# KiCad board Type 1 Termination Board v3.kicad_pcb
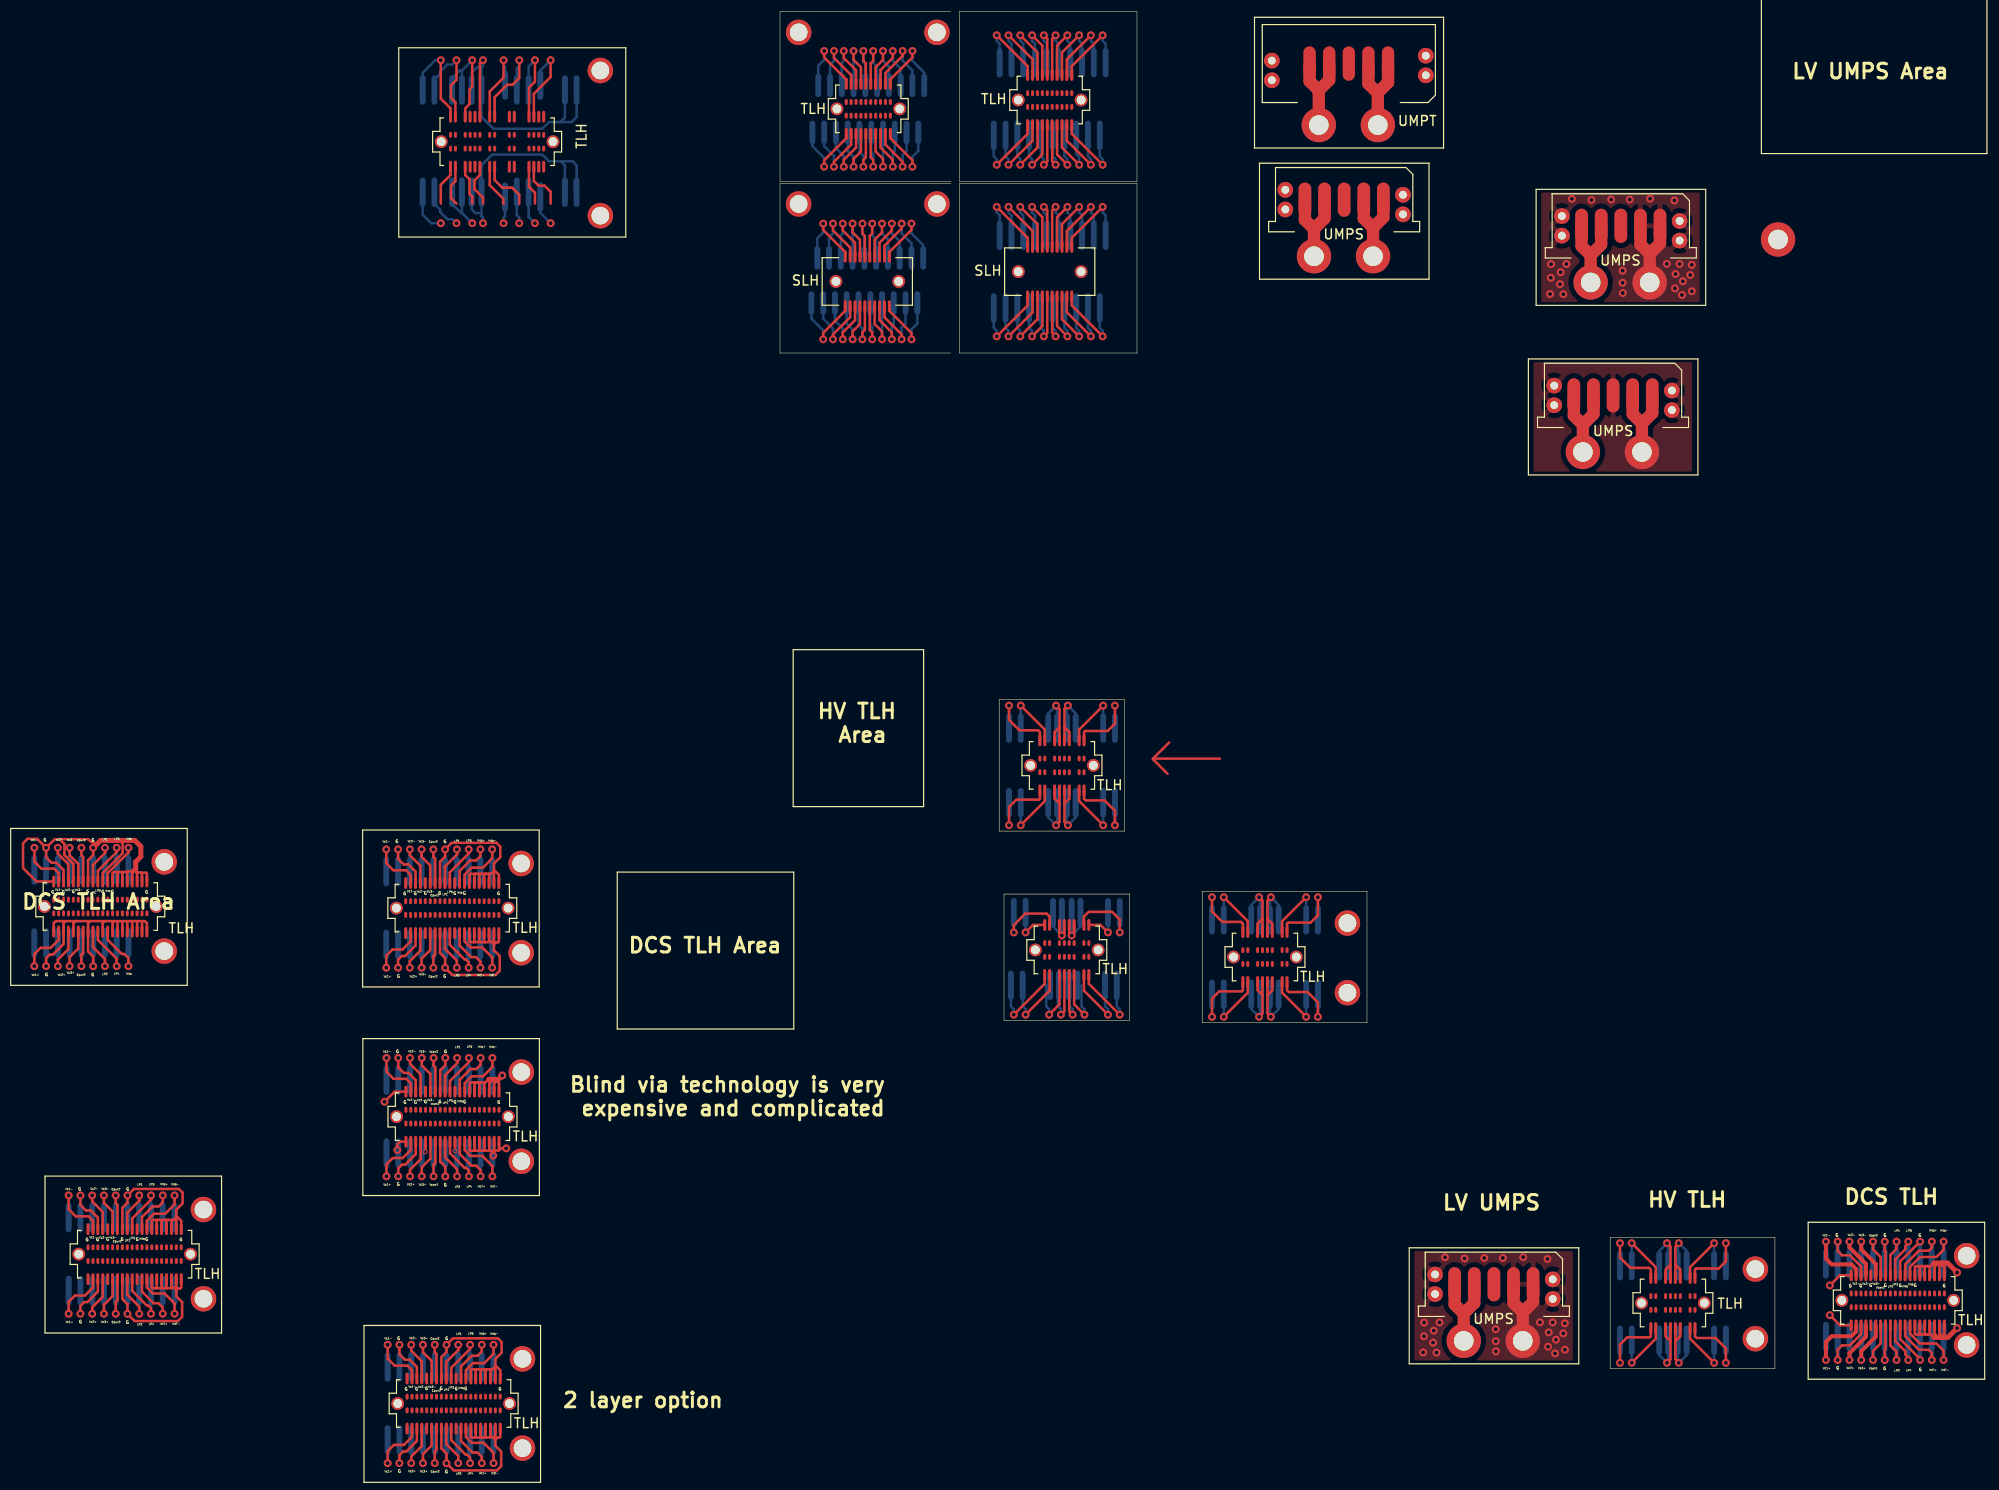
[diagram p0: board, top side]
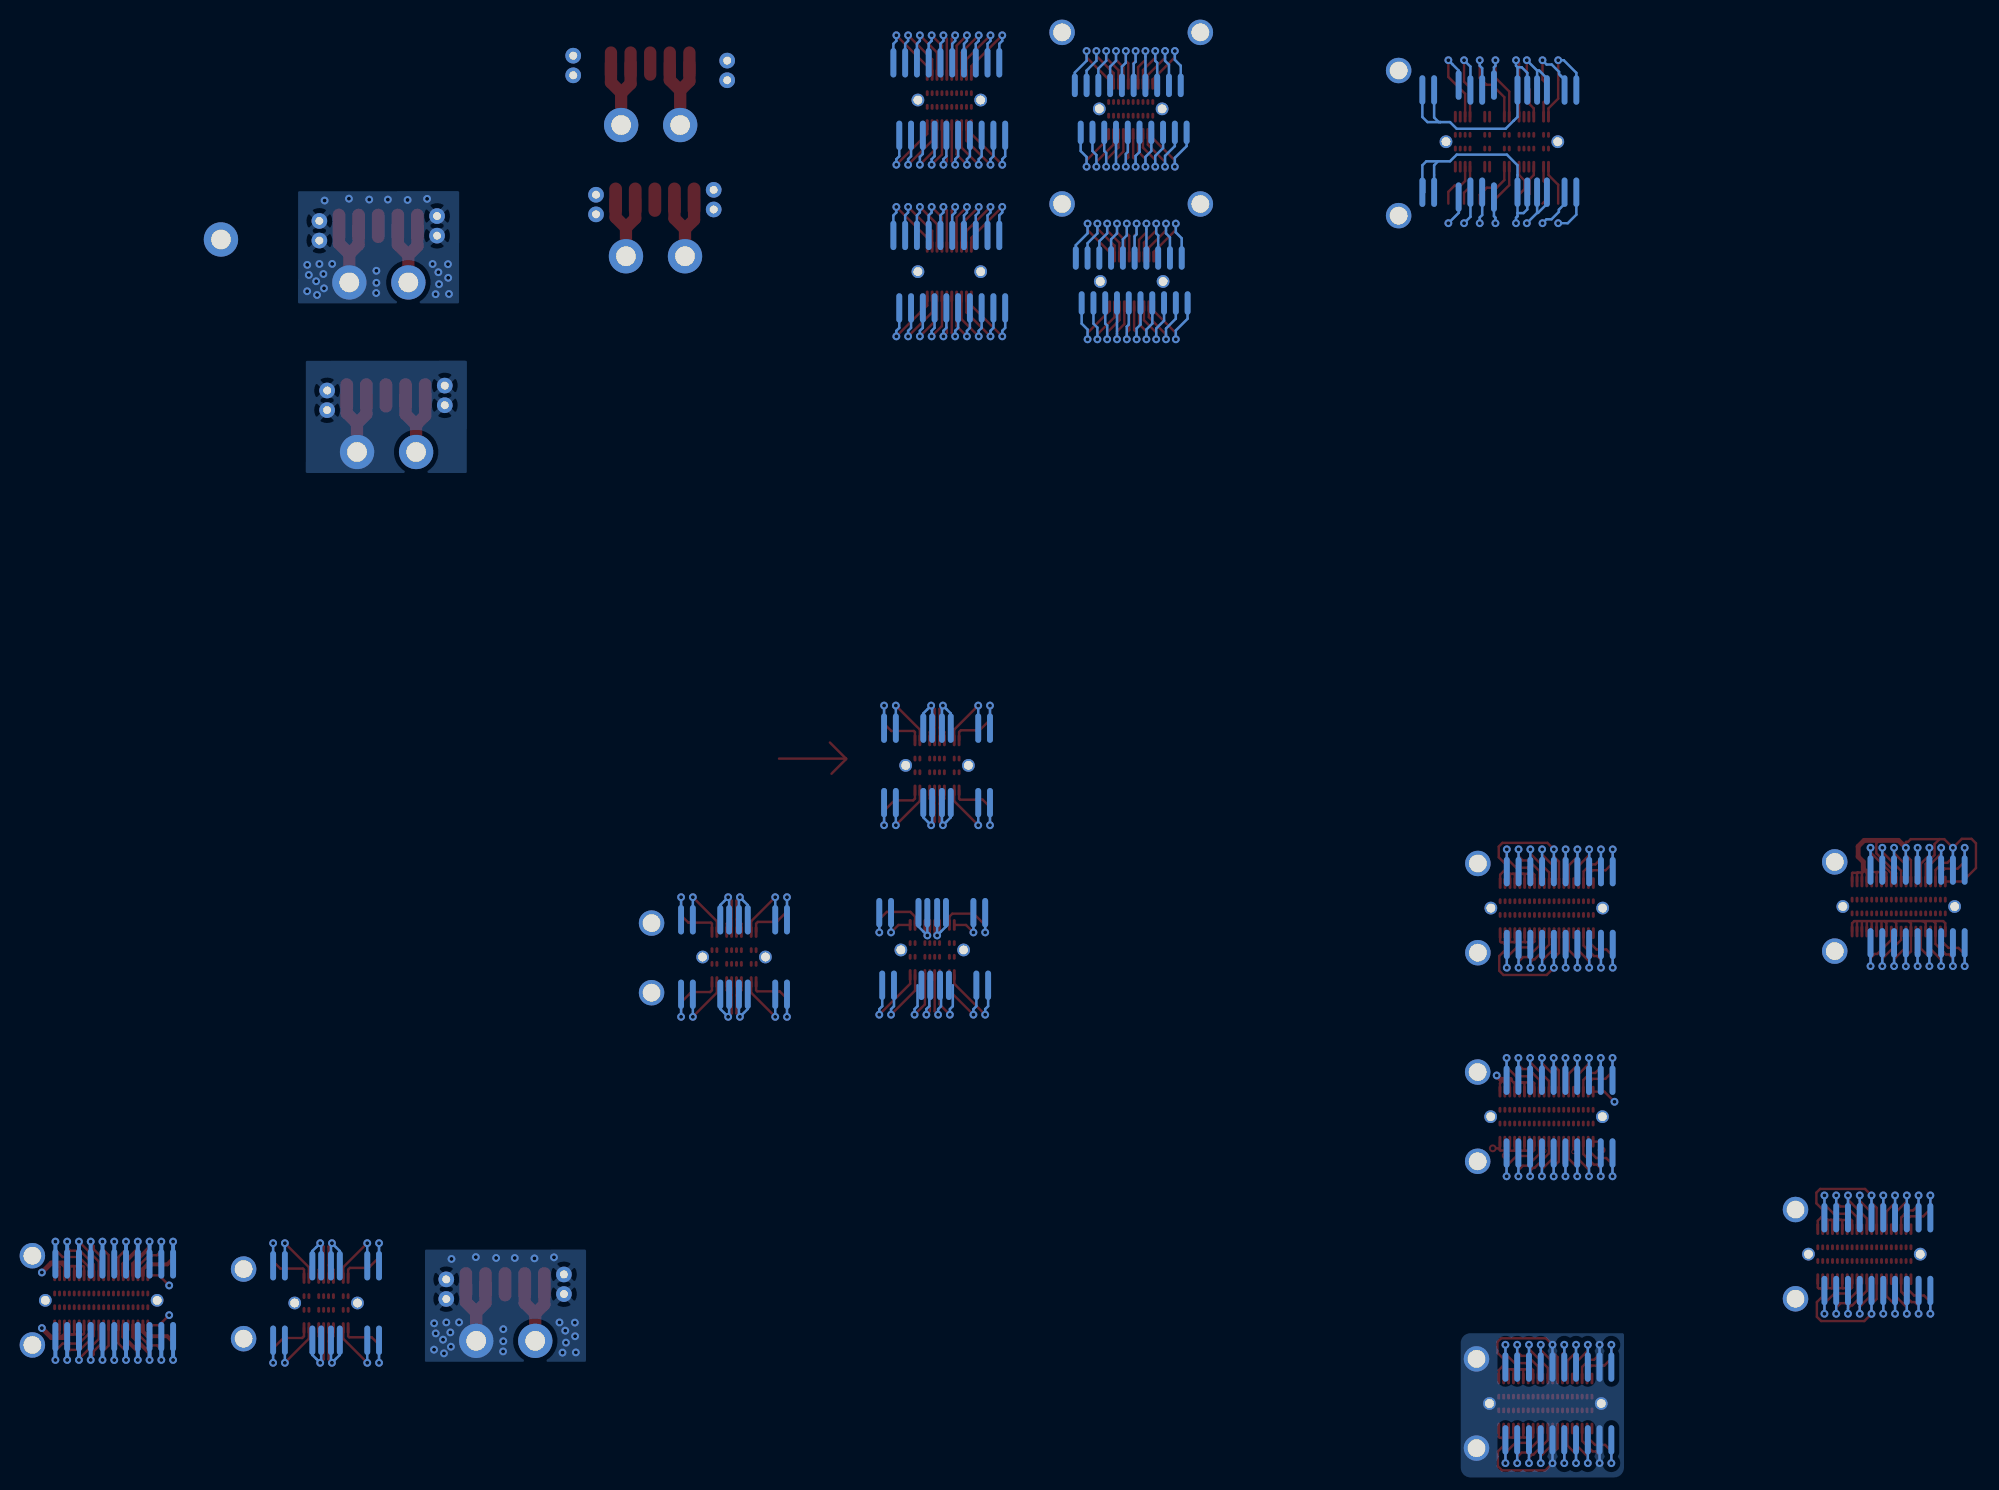
[diagram p1: board, bottom side, seen from below]

No outline. copper layers: Top, InF.Cu (plane), InB.Cu (plane), Bottom. Coordinates in mm from the lowest, leftmost part position.

## Placement (name value [footprint] x y rotation side)
Pad_Array_4  -  [Pad_Array_4]  42.08 128.19 0 bottom
Pad_Array_4#2  Pad_Array_4  [Pad_Array_4#2]  42.08 138.5 0 bottom
REF**  -  [PEEK_screw]  86.64 144.37 0 top
REF**#2  SLH  [SLH (mp)]  98.14 119.97 0 top
REF**#3  TLH  [TLH (mp)]  79.64 136.57 0 top
REF**#4  -  [PEEK_screw]  86.64 126.87 0 top
REF**#5  SLH  [SLH (mp)]  79.54 118.97 0 top
REF**#6  TLH  [TLH (mp)]  98.14 137.47 0 top
REF**#7  -  [PEEK_screw]  72.54 126.87 0 top
REF**#8  -  [PEEK_screw]  72.54 144.37 0 top
REF**#9  -  [14AWG_THT]  125.09 121.54 0 top
REF**#10  -  [14AWG_THT]  131.11 121.54 0 top
REF**#11  -  [14AWG_THT]  131.6 134.92 0 top
REF**#12  -  [14AWG_THT]  125.58 134.92 0 top
REF**#13  -  [14AWG_THT]  153.3 118.87 0 top
REF**#14  -  [14AWG_THT]  159.32 118.87 0 top
REF**#15  -  [14AWG_THT]  172.41 123.25 90 top
REF**#16  -  [PEEK_screw]  52.32 125.68 0 top
REF**#17  -  [PEEK_screw]  52.32 140.48 0 top
REF**#18  -  [PEEK_screw]  44.24 50.52 90 top
REF**#19  -  [PEEK_screw]  44.24 59.62 90 top
REF**#20  -  [PEEK_screw]  7.85 50.68 90 top
REF**#21  -  [PEEK_screw]  7.85 59.78 90 top
REF**#22  -  [PEEK_screw]  11.85 15.23 90 top
REF**#23  -  [PEEK_screw]  11.85 24.33 90 top
REF**#24  -  [PEEK_screw]  170.1 11.16 90 top
REF**#25  -  [PEEK_screw]  170.1 18.26 90 top
REF**#26  -  [PEEK_screw]  128.5 46.44 90 top
REF**#27  -  [PEEK_screw]  128.5 53.54 90 top
REF**#28  -  [14AWG_THT]  152.51 101.58 0 top
REF**#29  -  [14AWG_THT]  158.53 101.58 0 top
REF**#30  -  [PEEK_screw]  44.26 38.35 90 top
REF**#31  -  [PEEK_screw]  44.26 29.25 90 top
REF**#32  -  [PEEK_screw]  44.38 9.1 90 top
REF**#33  -  [PEEK_screw]  44.38 0 90 top
REF**#34  -  [14AWG_THT]  146.38 10.94 0 top
REF**#35  -  [14AWG_THT]  140.36 10.94 0 top
REF**#36  -  [PEEK_screw]  191.64 19.62 90 top
REF**#37  -  [PEEK_screw]  191.64 10.52 90 top
REF**#38  -  [Pad_Array_2]  79.34 134.17 0 bottom
REF**#39  -  [Pad_Array_2#5]  98.44 141.27 0 bottom
REF**#40  -  [Pad_Array_2#5]  97.84 116.27 0 bottom
REF**#41  -  [Pad_Array_2]  79.94 138.97 0 bottom
REF**#42  -  [Pad_Array_2#5]  98.44 123.67 0 bottom
REF**#43  -  [Pad_Array_2]  79.24 116.77 0 bottom
REF**#44  -  [Pad_Array_2#5]  97.84 133.87 0 bottom
REF**#45  -  [Pad_Array_2]  79.84 121.37 0 bottom
REF**#46  Pad_Array_2  [Pad_Array_2#2]  99.88 54.6 0 bottom
REF**#47  Pad_Array_2  [Pad_Array_2#2]  99.58 47.2 0 bottom
REF**#48  Pad_Array_2  [Pad_Array_2#2]  99.39 73.42 0 bottom
REF**#49  Pad_Array_2  [Pad_Array_2#2]  99.39 65.82 180 bottom
REF**#50  -  [Pad_Array_2#5]  35.89 51.36 0 bottom
REF**#51  -  [Pad_Array_2#5]  35.89 58.79 0 bottom
REF**#52  Pad_Array_2  [Pad_Array_2#3]  0 51.52 0 bottom
REF**#53  Pad_Array_2  [Pad_Array_2#3]  0 58.95 0 bottom
REF**#54  -  [Pad_Array_2#5]  3.5 23.5 0 bottom
REF**#55  -  [Pad_Array_2#5]  3.5 16.07 0 bottom
REF**#56  Pad_Array_2  [Pad_Array_2#2]  161.69 11 180 bottom
REF**#57  Pad_Array_2  [Pad_Array_2#2]  161.69 18.6 0 bottom
REF**#58  Pad_Array_2  [Pad_Array_2#2]  120.09 46.28 180 bottom
REF**#59  Pad_Array_2  [Pad_Array_2#2]  120.09 53.88 0 bottom
REF**#60  -  [Pad_Array_2#5]  35.91 37.52 0 bottom
REF**#61  -  [Pad_Array_2#5]  35.91 30.09 0 bottom
REF**#62  -  [Pad_Array_2#5]  36.03 8.27 0 bottom
REF**#63  -  [Pad_Array_2#5]  36.03 0.84 0 bottom
REF**#64  Pad_Array_2  [Pad_Array_2#4]  182.69 18.79 0 bottom
REF**#65  Pad_Array_2  [Pad_Array_2#4]  182.69 11.36 0 bottom
TLH  -  [19-1_TLH_HV]  99.39 69.62 0 top
TLH#2  -  [19-1_TLH_HV]  99.88 50.8 0 top
TLH#3  19-2  [19-2 TLH]  41.79 133.22 90 top
TLH#4  20 Pin  [TLH 20 Pin]  37.22 55.07 180 top
TLH#5  20 Pin  [TLH 20 Pin]  1.33 55.23 180 top
TLH#6  20 Pin  [TLH 20 Pin]  4.83 19.78 180 top
TLH#7  -  [19-1_TLH_HV]  161.69 14.8 0 top
TLH#8  -  [19-1_TLH_HV]  120.09 50.08 0 top
TLH#9  20 Pin  [TLH 20 Pin]  37.24 33.8 180 top
TLH#10  20 Pin  [TLH 20 Pin]  37.36 4.55 180 top
TLH#11  20 Pin  [TLH 20 Pin]  184.62 15.07 180 top
UMPS  5 Pin  [UMPS 5 Pin]  128.15 127.31 180 top
UMPS#2  5 Pin  [UMPS 5 Pin]  156.36 124.64 180 top
UMPS#3  5 Pin  [UMPS 5 Pin]  155.57 107.35 180 top
UMPS#4  5 Pin  [UMPS 5 Pin]  143.42 16.71 180 top
UMPT  5 Pin  [UMPT 5 Pin]  128.64 141.19 0 top

## Footprints (pads in the part's own frame, mm; a bottom-side part is the same pattern mirrored in y, then rotated)
14AWG_THT
  round 3.5 hole 2: 1(0,0)
19-1_TLH_HV
  oval 0.3x1.2 smd: 1(2.25,2.55) 2(1.75,2.55) 4(0.75,2.55) 5(0.25,2.55) 6(-0.25,2.55) 7(-0.75,2.55) 9(-1.75,2.55) 10(-2.25,2.55) 11(2.25,-2.55) 12(1.75,-2.55) 14(0.75,-2.55) 15(0.25,-2.55) 16(-0.25,-2.55) 17(-0.75,-2.55) 19(-1.75,-2.55) 20(-2.25,-2.55)
  oval 0.3x0.6 smd: 1(2.25,0.7) 2(1.75,0.7) 4(0.75,0.7) 5(0.25,0.7) 6(-0.25,0.7) 7(-0.75,0.7) 9(-1.75,0.7) 10(-2.25,0.7) 11(2.25,-0.7) 12(1.75,-0.7) 14(0.75,-0.7) 15(0.25,-0.7) 16(-0.25,-0.7) 17(-0.75,-0.7) 19(-1.75,-0.7) 20(-2.25,-0.7)
  round 1.3 hole 0.9: 21(-3.2,0) 22(3.2,0)
19-2 TLH
  oval 0.6x0.3 smd: 1(0.7,4.75) 2(-0.7,4.75) 3(0.7,4.25) 4(-0.7,4.25) 7(0.7,3.25) 8(-0.7,3.25) 9(0.7,2.75) 10(-0.7,2.75) 11(0.7,2.25) 12(-0.7,2.25) 13(0.7,1.75) 14(-0.7,1.75) 17(0.7,0.75) 18(-0.7,0.75) 19(0.7,0.25) 20(-0.7,0.25) 25(0.7,-1.25) 26(-0.7,-1.25) 27(0.7,-1.75) 28(-0.7,-1.75) 33(0.7,-3.25) 34(-0.7,-3.25) 35(0.7,-3.75) 36(-0.7,-3.75) 37(0.7,-4.25) 38(-0.7,-4.25) 39(0.7,-4.75) 40(-0.7,-4.75)
  oval 1.2x0.3 smd: 1(2.55,4.75) 2(-2.55,4.75) 3(2.55,4.25) 4(-2.55,4.25) 7(2.55,3.25) 8(-2.55,3.25) 9(2.55,2.75) 10(-2.55,2.75) 11(2.55,2.25) 12(-2.55,2.25) 13(2.55,1.75) 14(-2.55,1.75) 17(2.55,0.75) 18(-2.55,0.75) 19(2.55,0.25) 20(-2.55,0.25) 25(2.55,-1.25) 26(-2.55,-1.25) 27(2.55,-1.75) 28(-2.55,-1.75) 33(2.55,-3.25) 34(-2.55,-3.25) 35(2.55,-3.75) 36(-2.55,-3.75) 37(2.55,-4.25) 38(-2.55,-4.25) 39(2.55,-4.75) 40(-2.55,-4.75)
  round 1.3 hole 0.9: 41(0,5.699) 42(0,-5.702)
Pad_Array_2
  oval 0.6x2.4 smd: 1(-5.4,0) 2(-4.2,0) 3(-3,0) 4(-1.8,0) 5(-0.6,0) 6(0.6,0) 7(1.8,0) 8(3,0) 9(4.2,0) 10(5.4,0)
Pad_Array_2#5
  oval 0.6x3 smd: 1(-5.4,0) 2(-4.2,0) 3(-3,0) 4(-1.8,0) 5(-0.6,0) 6(0.6,0) 7(1.8,0) 8(3,0) 9(4.2,0) 10(5.4,0)
Pad_Array_2#2
  oval 0.6x3 smd: 1(-5.4,0) 2(-4.2,0) 4(-1.4,0) 5(-0.5,0) 6(0.5,0) 7(1.4,0) 9(4.2,0) 10(5.4,0)
Pad_Array_2#3
  oval 0.6x3 smd: 1(-5.4,0) 2(-4.2,0) 3(-3,0) 4(-1.8,0) 5(-0.6,0) 6(0.6,0) 7(1.8,0) 8(3,0) 9(4.2,0)
Pad_Array_2#4
  oval 0.6x3 smd: 1(-5.4,0) 2(-4.2,0) 3(-3,0) 4(-1.8,0) 5(-0.6,0) 6(0.6,0) 7(1.8,0) 8(3,0) 9(4.2,0) 10(5.4,0) 11(6.6,0)
Pad_Array_4
  oval 0.6x3 smd: 1(-7.875,0.125) 2(-6.675,0.125) 3(-4.875,0.125) 4(-3.875,0.125) 5(-2.875,0.125) 6(-1.875,0.125) 7(0.525,0.625) 8(1.725,0.125) 9(2.925,0.125) 10(4.125,0.625) 11(6.625,0.125) 12(7.825,0.125)
Pad_Array_4#2
  oval 0.6x3 smd: 1(-7.875,0) 2(-6.675,0) 3(-4.875,0) 4(-3.875,0) 5(-2.875,0) 6(-1.875,0) 7(0.525,-0.5) 8(1.725,0) 9(2.925,0) 10(4.125,-0.5) 11(6.625,0) 12(7.825,0)
PEEK_screw
  round 2.6 hole 1.8: 1(0,0)
SLH (mp)
  oval 0.3x1.2 smd: 1(-2.25,2.525) 2(-1.75,2.525) 3(-1.25,2.525) 4(-0.75,2.525) 5(-0.25,2.525) 6(0.25,2.525) 7(0.75,2.525) 8(1.25,2.525) 9(1.75,2.525) 10(2.25,2.525) 11(-2.25,-2.525) 12(-1.75,-2.525) 13(-1.25,-2.525) 14(-0.75,-2.525) 15(-0.25,-2.525) 16(0.25,-2.525) 17(0.75,-2.525) 18(1.25,-2.525) 19(1.75,-2.525) 20(2.25,-2.525)
  round 1.3 hole 0.9: 21(-3.2,0) 22(3.2,0)
TLH 20 Pin
  oval 0.3x1.2 smd: 1(4.752,2.55) 2(4.252,2.55) 3(3.752,2.55) 4(3.252,2.55) 5(2.752,2.55) 6(2.252,2.55) 7(1.752,2.55) 8(1.252,2.55) 9(0.751,2.55) 10(0.252,2.55) 11(-0.248,2.55) 12(-0.749,2.55) 13(-1.248,2.55) 14(-1.748,2.55) 15(-2.248,2.55) 16(-2.748,2.55) 17(-3.248,2.55) 18(-3.748,2.55) 19(-4.248,2.55) 20(-4.748,2.55) 21(4.752,-2.55) 22(4.252,-2.55) 23(3.752,-2.55) 24(3.252,-2.55) 25(2.752,-2.55) 26(2.252,-2.55) 27(1.752,-2.55) 28(1.252,-2.55) 29(0.751,-2.55) 30(0.252,-2.55) 31(-0.248,-2.55) 32(-0.749,-2.55) 33(-1.248,-2.55) 34(-1.748,-2.55) 35(-2.248,-2.55) 36(-2.748,-2.55) 37(-3.248,-2.55) 38(-3.748,-2.55) 39(-4.248,-2.55) 40(-4.748,-2.55)
  oval 0.3x0.6 smd: 1(4.752,0.7) 2(4.252,0.7) 3(3.752,0.7) 4(3.252,0.7) 5(2.752,0.7) 6(2.252,0.7) 7(1.752,0.7) 8(1.252,0.7) 9(0.751,0.7) 10(0.252,0.7) 11(-0.248,0.7) 12(-0.749,0.7) 13(-1.248,0.7) 14(-1.748,0.7) 15(-2.248,0.7) 16(-2.748,0.7) 17(-3.248,0.7) 18(-3.748,0.7) 19(-4.248,0.7) 20(-4.748,0.7) 21(4.752,-0.7) 22(4.252,-0.7) 23(3.752,-0.7) 24(3.252,-0.7) 25(2.752,-0.7) 26(2.252,-0.7) 27(1.752,-0.7) 28(1.252,-0.7) 29(0.751,-0.7) 30(0.252,-0.7) 31(-0.248,-0.7) 32(-0.749,-0.7) 33(-1.248,-0.7) 34(-1.748,-0.7) 35(-2.248,-0.7) 36(-2.748,-0.7) 37(-3.248,-0.7) 38(-3.748,-0.7) 39(-4.248,-0.7) 40(-4.748,-0.7)
  round 1.3 hole 0.9: 41(-5.699,0) 42(5.702,0)
TLH (mp)
  oval 0.3x1.2 smd: 1(2.25,2.55) 2(1.75,2.55) 3(1.25,2.55) 4(0.75,2.55) 5(0.25,2.55) 6(-0.25,2.55) 7(-0.75,2.55) 8(-1.25,2.55) 9(-1.75,2.55) 10(-2.25,2.55) 11(2.25,-2.55) 12(1.75,-2.55) 13(1.25,-2.55) 14(0.75,-2.55) 15(0.25,-2.55) 16(-0.25,-2.55) 17(-0.75,-2.55) 18(-1.25,-2.55) 19(-1.75,-2.55) 20(-2.25,-2.55)
  oval 0.3x0.6 smd: 1(2.25,0.7) 2(1.75,0.7) 3(1.25,0.7) 4(0.75,0.7) 5(0.25,0.7) 6(-0.25,0.7) 7(-0.75,0.7) 8(-1.25,0.7) 9(-1.75,0.7) 10(-2.25,0.7) 11(2.25,-0.7) 12(1.75,-0.7) 13(1.25,-0.7) 14(0.75,-0.7) 15(0.25,-0.7) 16(-0.25,-0.7) 17(-0.75,-0.7) 18(-1.25,-0.7) 19(-1.75,-0.7) 20(-2.25,-0.7)
  round 1.3 hole 0.9: 21(-3.2,0) 22(3.2,0)
UMPS 5 Pin
  oval 1.3x3.5 smd: 1(-4.014,0.001) 2(-2.014,0.001) 3(-0.014,0.001) 4(1.986,0.001) 5(3.986,0.001)
  round 1.6 hole 0.8: 6(-6.014,1.501) 7(-6.014,-0.499) 8(5.986,1.001) 9(5.986,-0.999)
UMPT 5 Pin
  oval 1.25x3.5 smd: 1(4,0) 2(2,0) 3(0,0) 4(-2,0) 5(-4,0)
  round 1.6 hole 0.8: 6(-7.85,0.3) 7(-7.85,-1.7) 8(7.85,0.8) 9(7.85,-1.2)

## Nets
GND: REF**#14.1 REF**#22.1 REF**#23.1 REF**#29.1 REF**#30.1 REF**#31.1 REF**#32.1 REF**#33.1 REF**#36.1 REF**#37.1 REF**#54.2 REF**#54.6 REF**#55.2 REF**#55.6 REF**#60.2 REF**#60.6 REF**#61.2 REF**#61.6 REF**#62.2 REF**#62.6 REF**#63.2 REF**#63.6 REF**#64.2 REF**#64.6 REF**#64.9 REF**#65.2 REF**#65.6 REF**#65.9 TLH#6.3 TLH#6.8 TLH#6.14 TLH#6.15 TLH#6.16 TLH#6.17 TLH#6.18 TLH#6.19 TLH#6.20 TLH#6.23 TLH#6.28 TLH#6.34 TLH#6.35 TLH#6.36 TLH#6.37 TLH#6.38 TLH#6.39 TLH#6.40 TLH#9.1 TLH#9.3 TLH#9.5 TLH#9.8 TLH#9.11 TLH#9.14 TLH#9.15 TLH#9.16 TLH#9.17 TLH#9.18 TLH#9.19 TLH#9.20 TLH#9.21 TLH#9.23 TLH#9.25 TLH#9.28 TLH#9.31 TLH#9.34 TLH#9.35 TLH#9.36 TLH#9.37 TLH#9.38 TLH#9.39 TLH#9.40 TLH#9.41 TLH#9.42 TLH#10.3 TLH#10.8 TLH#10.14 TLH#10.15 TLH#10.16 TLH#10.17 TLH#10.18 TLH#10.19 TLH#10.20 TLH#10.23 TLH#10.28 TLH#10.34 TLH#10.35 TLH#10.36 TLH#10.37 TLH#10.38 TLH#10.39 TLH#10.40 TLH#10.41 TLH#10.42 TLH#11.1 TLH#11.3 TLH#11.8 TLH#11.11 TLH#11.14 TLH#11.15 TLH#11.16 TLH#11.17 TLH#11.18 TLH#11.19 TLH#11.20 TLH#11.21 TLH#11.23 TLH#11.28 TLH#11.31 TLH#11.34 TLH#11.35 TLH#11.36 TLH#11.37 TLH#11.38 TLH#11.39 TLH#11.40 TLH#11.41 TLH#11.42 UMPS#2.1 UMPS#2.2 UMPS#2.6 UMPS#2.7 UMPS#2.8 UMPS#2.9 UMPS#3.3 UMPS#3.6 UMPS#3.7 UMPS#3.8 UMPS#3.9 UMPS#4.3
/LV: REF**#13.1 REF**#34.1 UMPS#2.4 UMPS#2.5 UMPS#4.1 UMPS#4.2 UMPS#4.6 UMPS#4.7 UMPS#4.8 UMPS#4.9

Pads without a net: Pad_Array_4 1 2 3 4 5 6 7 8 9 10 11 12; Pad_Array_4#2 1 2 3 4 5 6 7 8 9 10 11 12; REF** 1; REF**#2 1 2 3 4 5 6 7 8 9 10 11 12 13 14 15 16 17 18 19 20 21 22; REF**#3 1 2 3 4 5 6 7 8 9 10 11 12 13 14 15 16 17 18 19 20 21 22; REF**#4 1; REF**#5 1 2 3 4 5 6 7 8 9 10 11 12 13 14 15 16 17 18 19 20 21 22; REF**#6 1 2 3 4 5 6 7 8 9 10 11 12 13 14 15 16 17 18 19 20 21 22; REF**#7 1; REF**#8 1; REF**#9 1; REF**#10 1; REF**#11 1; REF**#12 1; REF**#15 1; REF**#16 1; REF**#17 1; REF**#18 1; REF**#19 1; REF**#20 1; REF**#21 1; REF**#24 1; REF**#25 1; REF**#26 1; REF**#27 1; REF**#28 1; REF**#35 1; REF**#38 1 2 3 4 5 6 7 8 9 10; REF**#39 1 2 3 4 5 6 7 8 9 10; REF**#40 1 2 3 4 5 6 7 8 9 10; REF**#41 1 2 3 4 5 6 7 8 9 10; REF**#42 1 2 3 4 5 6 7 8 9 10; REF**#43 1 2 3 4 5 6 7 8 9 10; REF**#44 1 2 3 4 5 6 7 8 9 10; REF**#45 1 2 3 4 5 6 7 8 9 10; REF**#46 1 2 4 5 6 7 9 10; REF**#47 1 2 4 5 6 7 9 10; REF**#48 1 2 4 5 6 7 9 10; REF**#49 1 2 4 5 6 7 9 10; REF**#50 1 2 3 4 5 6 7 8 9 10; REF**#51 1 2 3 4 5 6 7 8 9 10; REF**#52 1 2 3 4 5 6 7 8 9; REF**#53 1 2 3 4 5 6 7 8 9; REF**#54 1 3 4 5 7 8 9 10; REF**#55 1 3 4 5 7 8 9 10; REF**#56 1 2 4 5 6 7 9 10; REF**#57 1 2 4 5 6 7 9 10; REF**#58 1 2 4 5 6 7 9 10; REF**#59 1 2 4 5 6 7 9 10; REF**#60 1 3 4 5 7 8 9 10; REF**#61 1 3 4 5 7 8 9 10; REF**#62 1 3 4 5 7 8 9 10; REF**#63 1 3 4 5 7 8 9 10; REF**#64 1 3 4 5 7 8 10 11; REF**#65 1 3 4 5 7 8 10 11; TLH 1 2 4 5 6 7 9 10 11 12 14 15 16 17 19 20 21 22; TLH#2 1 2 4 5 6 7 9 10 11 12 14 15 16 17 19 20 21 22; TLH#3 1 2 3 4 7 8 9 10 11 12 13 14 17 18 19 20 25 26 27 28 33 34 35 36 37 38 39 40 41 42; TLH#4 1 2 3 4 5 6 7 8 9 10 11 12 13 14 15 16 17 18 19 20 21 22 23 24 25 26 27 28 29 30 31 32 33 34 35 36 37 38 39 40 41 42; TLH#5 1 2 3 4 5 6 7 8 9 10 11 12 13 14 15 16 17 18 19 20 21 22 23 24 25 26 27 28 29 30 31 32 33 34 35 36 37 38 39 40 41 42; TLH#6 1 2 4 5 6 7 9 10 11 12 13 21 22 24 25 26 27 29 30 31 32 33 41 42; TLH#7 1 2 4 5 6 7 9 10 11 12 14 15 16 17 19 20 21 22; TLH#8 1 2 4 5 6 7 9 10 11 12 14 15 16 17 19 20 21 22; TLH#9 2 4 6 7 9 10 12 13 22 24 26 27 29 30 32 33; TLH#10 1 2 4 5 6 7 9 10 11 12 13 21 22 24 25 26 27 29 30 31 32 33; TLH#11 2 4 5 6 7 9 10 12 13 22 24 25 26 27 29 30 32 33; UMPS 1 2 3 4 5 6 7 8 9; UMPS#2 3; UMPS#3 1 2 4 5; UMPS#4 4 5; UMPT 1 2 3 4 5 6 7 8 9

## Via types
v1: diameter 0.8, hole 0.4, Top to Bottom, 322 vias
v2: diameter 0.8, hole 0.4, Top to InF.Cu, 3 vias
v3: diameter 0.5, hole 0.3, Top to InF.Cu, 2 vias

## Routing (per net, layer and track width the routed paths; a pad name or vN(x,y) marks a point on that pad's centre or on a via; arc(x,y) is an arc through that point)
GND: length 271.5
  Top w0.25: TLH#6.8 3.58,15.2 4.1,14.68 v1(4.1,13.69) 4.83,12.96 9.24,12.96 9.67,13.39 9.67,14.89 9.08,15.48 9.08,16.09 ; v1(-0.7,13.7) -0.7,14.51 -0.32,14.89 0.01,14.89 1.08,15.96 TLH#6.3 ; TLH#6.28 3.58,24.51 4.1,25.03 v1(4.1,25.77) 4.76,26.43 9.34,26.43 9.72,26.05 9.72,24.96 9.08,24.32 9.08,23.56 ; TLH#6.23 1.08,23.51 0.35,24.24 -0.14,24.24 -0.71,24.81 -0.7,24.82 v1(-0.7,25.77) ; TLH#6.40 9.58,23.18 9.2,23.56 9.08,23.56 ; 7.89,23.27 7.67,23.27 7.58,23.18 TLH#6.36 ; 7.89,23.27 8.28,23.27 ; 7.89,23.27 7.33,23.27 ; TLH#6.38 8.58,23.23 8.54,23.27 ; TLH#6.34 6.58,23.18 6.67,23.27 7.33,23.27 ; 9.08,23.56 TLH#6.39 ; 9.08,23.56 8.79,23.27 8.54,23.27 ; 7.33,23.27 7.17,23.27 7.08,23.18 TLH#6.35 ; TLH#6.37 8.08,23.18 8.17,23.27 8.28,23.27 ; 8.28,23.27 8.54,23.27 ; TLH#6.16 7.58,16.38 7.65,16.31 7.74,16.31 ; TLH#6.15 7.08,16.38 7.01,16.31 7,16.31 ; TLH#6.19 9.08,16.11 ; 8.58,16.38 8.6,16.36 8.6,16.31 8.15,16.31 ; 8.58,16.38 8.81,16.38 9.08,16.11 ; 8.58,16.38 TLH#6.18 ; 7.74,16.31 7,16.31 ; 7.74,16.31 8.15,16.31 ; 9.08,16.11 9.08,16.09 ; TLH#6.14 6.58,16.38 6.65,16.31 7,16.31 ; 9.08,16.09 9.28,16.29 9.49,16.29 9.58,16.38 TLH#6.20 ; 8.15,16.31 8.15,16.31 8.08,16.38 TLH#6.17 ; TLH#9.8 35.99,29.22 36.51,28.7 v1(36.51,27.71) ; v1(31.71,27.72) 31.71,28.53 32.09,28.91 32.42,28.91 33.49,29.98 TLH#9.3 ; v1(36.51,39.79) 36.51,39.05 35.99,38.53 TLH#9.28 ; v1(31.71,39.79) 31.71,38.84 31.7,38.83 32.27,38.26 32.76,38.26 33.49,37.53 TLH#9.23 ; 40.3,37.29 40.08,37.29 39.99,37.2 TLH#9.36 ; 40.3,37.29 39.74,37.29 ; 40.3,37.29 40.6,37.29 40.91,37.6 ; TLH#9.37 40.49,37.2 ; TLH#9.15 39.49,30.4 39.42,30.33 39.41,30.33 ; 40.15,30.33 40.06,30.33 39.99,30.4 TLH#9.16 ; 40.15,30.33 39.41,30.33 ; 40.15,30.33 40.49,30.33 ; TLH#9.14 38.99,30.4 39.06,30.33 39.41,30.33 ; 39.74,37.29 39.08,37.29 38.99,37.2 TLH#9.34 ; 39.74,37.29 39.58,37.29 39.49,37.2 TLH#9.35 ; TLH#10.8 36.11,-0.03 36.63,-0.55 v1(36.63,-1.54) 37.36,-2.27 41.77,-2.27 42.2,-1.84 42.2,-0.34 41.61,0.25 41.61,0.86 ; v1(31.83,-1.53) 31.83,-0.72 32.21,-0.34 32.54,-0.34 33.61,0.73 TLH#10.3 ; v1(31.83,10.54) 31.83,9.59 31.82,9.58 32.39,9.01 32.88,9.01 33.61,8.28 TLH#10.23 ; 40.42,8.04 40.2,8.04 40.11,7.95 TLH#10.36 ; 40.42,8.04 39.86,8.04 ; 40.42,8.04 40.81,8.04 ; TLH#10.38 41.11,8 41.07,8.04 ; TLH#10.28 36.11,9.28 36.63,9.8 v1(36.63,10.54) 37.29,11.2 41.87,11.2 42.25,10.82 42.25,9.73 41.61,9.09 41.61,8.33 ; TLH#10.40 42.11,7.95 41.73,8.33 41.61,8.33 ; TLH#10.19 41.61,0.88 ; 41.11,1.15 41.13,1.13 41.13,1.08 40.68,1.08 ; 41.11,1.15 41.34,1.15 41.61,0.88 ; 41.11,1.15 TLH#10.18 ; TLH#10.37 40.61,7.95 40.7,8.04 40.81,8.04 ; 41.07,8.04 40.81,8.04 ; 41.07,8.04 41.32,8.04 41.61,8.33 ; TLH#10.15 39.61,1.15 39.54,1.08 39.53,1.08 ; 40.27,1.08 40.18,1.08 40.11,1.15 TLH#10.16 ; 40.27,1.08 39.53,1.08 ; 40.27,1.08 40.68,1.08 ; 41.61,8.33 TLH#10.39 ; 41.61,0.88 41.61,0.86 ; TLH#10.14 39.11,1.15 39.18,1.08 39.53,1.08 ; 40.68,1.08 40.68,1.08 40.61,1.15 TLH#10.17 ; 39.86,8.04 39.2,8.04 39.11,7.95 TLH#10.34 ; 39.86,8.04 39.7,8.04 39.61,7.95 TLH#10.35 ; 41.61,0.86 41.81,1.06 42.02,1.06 42.11,1.15 TLH#10.20 ; 187.12,18.56 186.96,18.56 186.87,18.47 TLH#11.35 ; 187.12,18.56 187.68,18.56 ; 187.12,18.56 186.46,18.56 186.37,18.47 TLH#11.34 ; TLH#11.36 187.37,18.47 187.46,18.56 187.68,18.56 ; 187.68,18.56 187.98,18.56 188.29,18.87 ; TLH#11.38 188.37,18.47 188.57,18.67 188.57,18.87 ; TLH#11.40 189.37,18.47 189.3,18.54 189.3,18.87 ; 189.1,18.87 189.1,18.7 188.87,18.47 TLH#11.39 ; v1(177.69,16.59) 178.72,17.62 TLH#11.21 ; TLH#11.37 187.87,18.47 ; v1(177.69,13.56) 178.72,12.53 179.87,12.53 ; 187.68,11.59 187.46,11.59 187.37,11.68 187.37,12.53 ; 187.68,11.59 187.12,11.59 ; 187.68,11.59 187.98,11.59 188.29,11.28 ; 187.87,12.53 187.87,11.68 ; 188.57,11.28 188.57,11.48 188.37,11.68 188.37,12.53 ; 189.37,12.53 189.37,11.68 189.3,11.61 189.3,11.28 ; 187.12,11.59 186.46,11.59 186.37,11.68 186.37,12.53 ; 187.12,11.59 186.96,11.59 186.87,11.68 186.87,12.53 ; 188.87,12.53 188.87,11.68 189.1,11.45 189.1,11.28 ; 180.87,12.53 180.87,11.62 179.73,10.48 178.93,10.48 178.49,10.04 178.49,9.09 ; 186.89,9.09 184.87,11.11 184.87,12.53 ; 183.29,9.09 183.29,10.03 183.37,10.11 183.37,12.53 ; v2(41.4,29.83) 41.4,30.26 41.47,30.33 ; v3(37.49,30.31) 37.49,30.31 TLH#9.11 ; 41.92,37.6 41.92,37.27 41.99,37.2 TLH#9.40 ; TLH#9.17 40.49,30.4 40.49,30.4 40.49,30.33 ; 41.72,37.6 41.72,37.43 41.49,37.2 TLH#9.39 ; 41.49,30.35 41.47,30.33 ; 41.49,30.35 TLH#9.19 ; 41.49,30.35 41.94,30.35 41.99,30.4 ; 41.47,30.33 41.01,30.33 ; 41.01,30.33 41.01,30.38 40.99,30.4 TLH#9.18 ; 41.01,30.33 40.49,30.33 ; TLH#11.28 183.37,20.04 183.29,20.12 v1(183.29,21.06) ; 41.99,30.4 41.99,30.4 42.15,30.57 v2(42.72,30.57) ; 41.99,30.4 TLH#9.20 ; v3(34.47,30.22) 34.49,30.24 TLH#9.5 ; v1(186.89,21.06) 184.87,19.04 TLH#11.31 ; v1(178.49,21.06) 178.49,20.11 178.93,19.67 179.73,19.67 180.87,18.53 TLH#11.23 ; v2(31.62,30.4) 31.62,30.99 31.88,31.25 TLH#9.1 ; v1(30.31,35.32) 31.34,36.35 TLH#9.21 ; TLH#9.38 40.99,37.2 41.19,37.4 41.19,37.6
  Top w0.5: 188.29,18.87 189.71,18.87 v1(190.67,17.91) ; 188.29,11.28 189.71,11.28 v1(190.67,12.24) ; 40.91,37.6 41.92,37.6 v1(42.32,38)
  Top w1.25: UMPS#2.1 160.37,122.83 159.32,121.78 ; UMPS#2.2 158.37,122.73 159.32,121.78 ; 159.32,121.78 REF**#14.1 ; 158.53,104.49 159.58,105.54 159.58,107.35 ; 158.53,104.49 157.58,105.44 157.58,107.35 ; 158.53,104.49 REF**#29.1
  Bottom w0.25: v1(4.1,25.77) REF**#54.6 ; v1(4.1,13.69) REF**#55.6 ; v1(-0.7,25.77) REF**#54.2 ; v1(-0.7,13.7) REF**#55.2 ; v1(36.51,39.79) REF**#60.6 ; v1(36.51,27.71) REF**#61.6 ; v1(31.71,27.72) REF**#61.2 ; v1(31.71,39.79) REF**#60.2 ; v1(36.63,10.54) REF**#62.6 ; v1(36.63,-1.54) REF**#63.6 ; v1(31.83,-1.53) REF**#63.2 ; v1(31.83,10.54) REF**#62.2
  Bottom w0.4: v1(178.49,8.99) REF**#65.2 ; REF**#64.2 v1(178.49,21.06) ; v1(186.89,8.99) REF**#65.9 ; REF**#64.6 v1(183.29,21.06) ; v1(183.29,8.98) REF**#65.6 ; REF**#64.9 v1(186.89,21.06)
  vias: v1(149.16,117.69) v1(149.26,120.73) v1(149.24,119.34) v1(150.17,118.69) v1(150.24,119.91) v1(150.52,117.67) v1(150.83,120.75) v1(151.39,127.39) v1(153.38,127.28) v1(155.39,127.32) v1(156.56,120.06) v1(156.56,118.83) v1(156.58,117.79) v1(157.29,127.32) v1(159.36,127.41) v1(161.07,120.76) v1(161.84,127.22) v1(161.9,118.27) v1(161.96,119.73) v1(162.37,120.75) v1(162.61,117.59) v1(162.7,118.99) v1(163.45,119.63) v1(163.61,120.66) v1(163.62,117.97)